# Altium PCB led-cube.PcbDoc
Units mil, origin at the board's own origin, x right, y up, seen from the top; angles counter-clockwise.
Board outline 7100 x 9075 mil, 2 copper layers (Top Layer, Bottom Layer), stack 61.8 mil thick; 90 components, 158 nets, 419 pads, 44 vias.
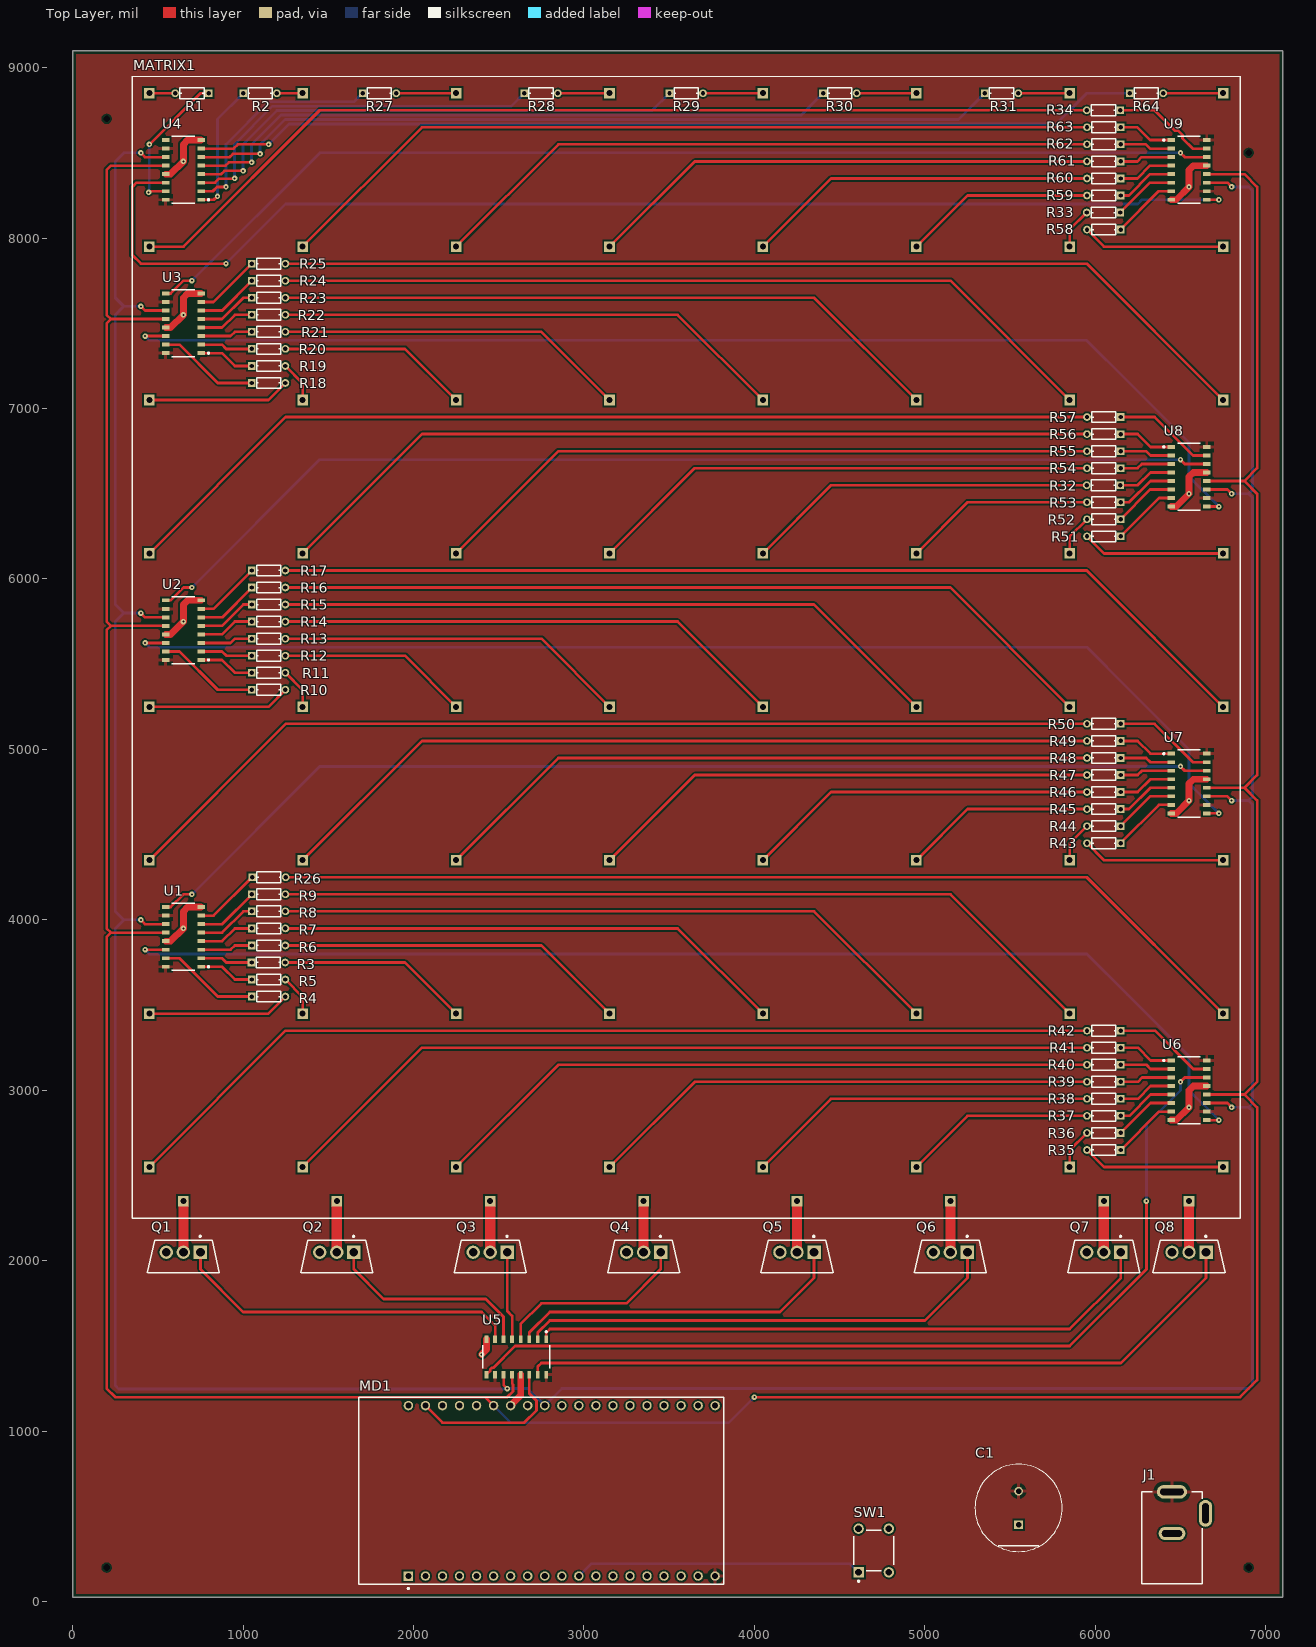
[diagram p0: Top Layer view]
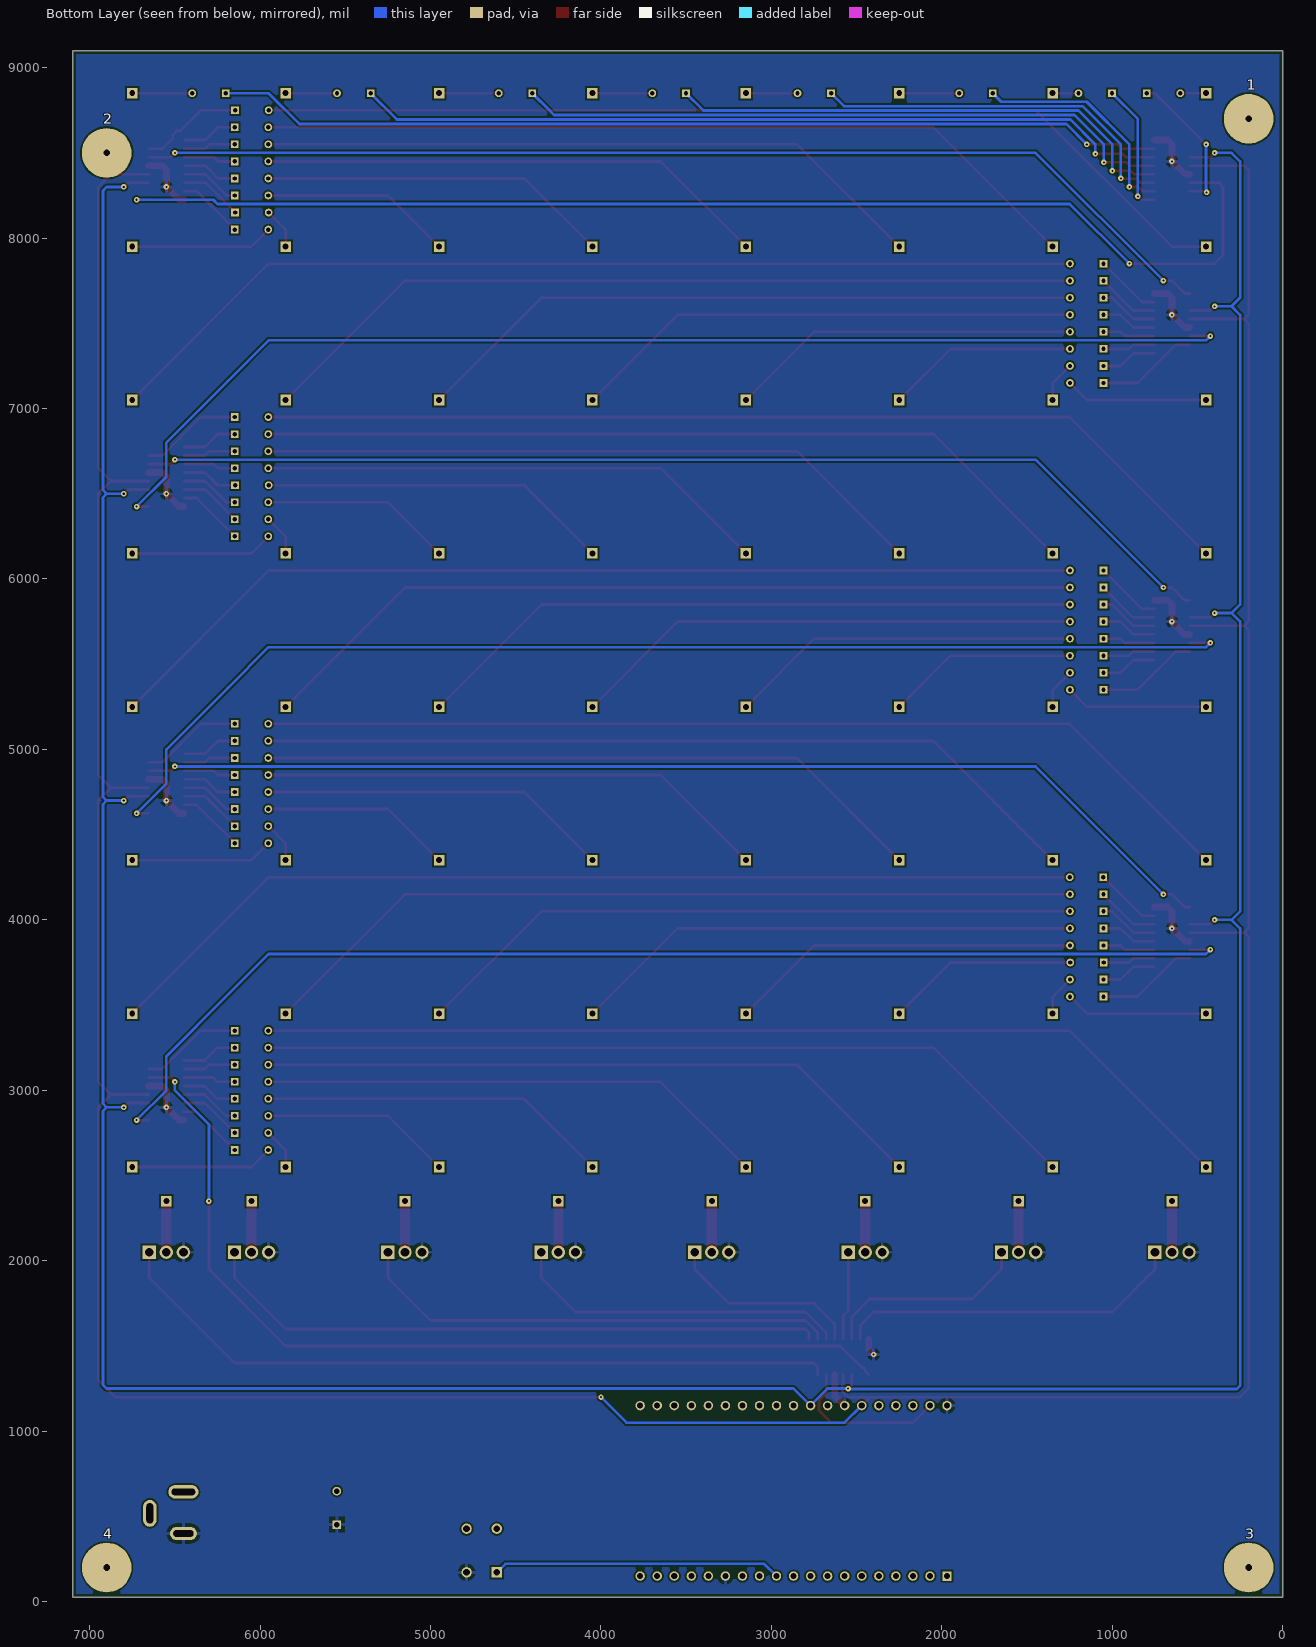
[diagram p1: Bottom Layer view, seen from below]
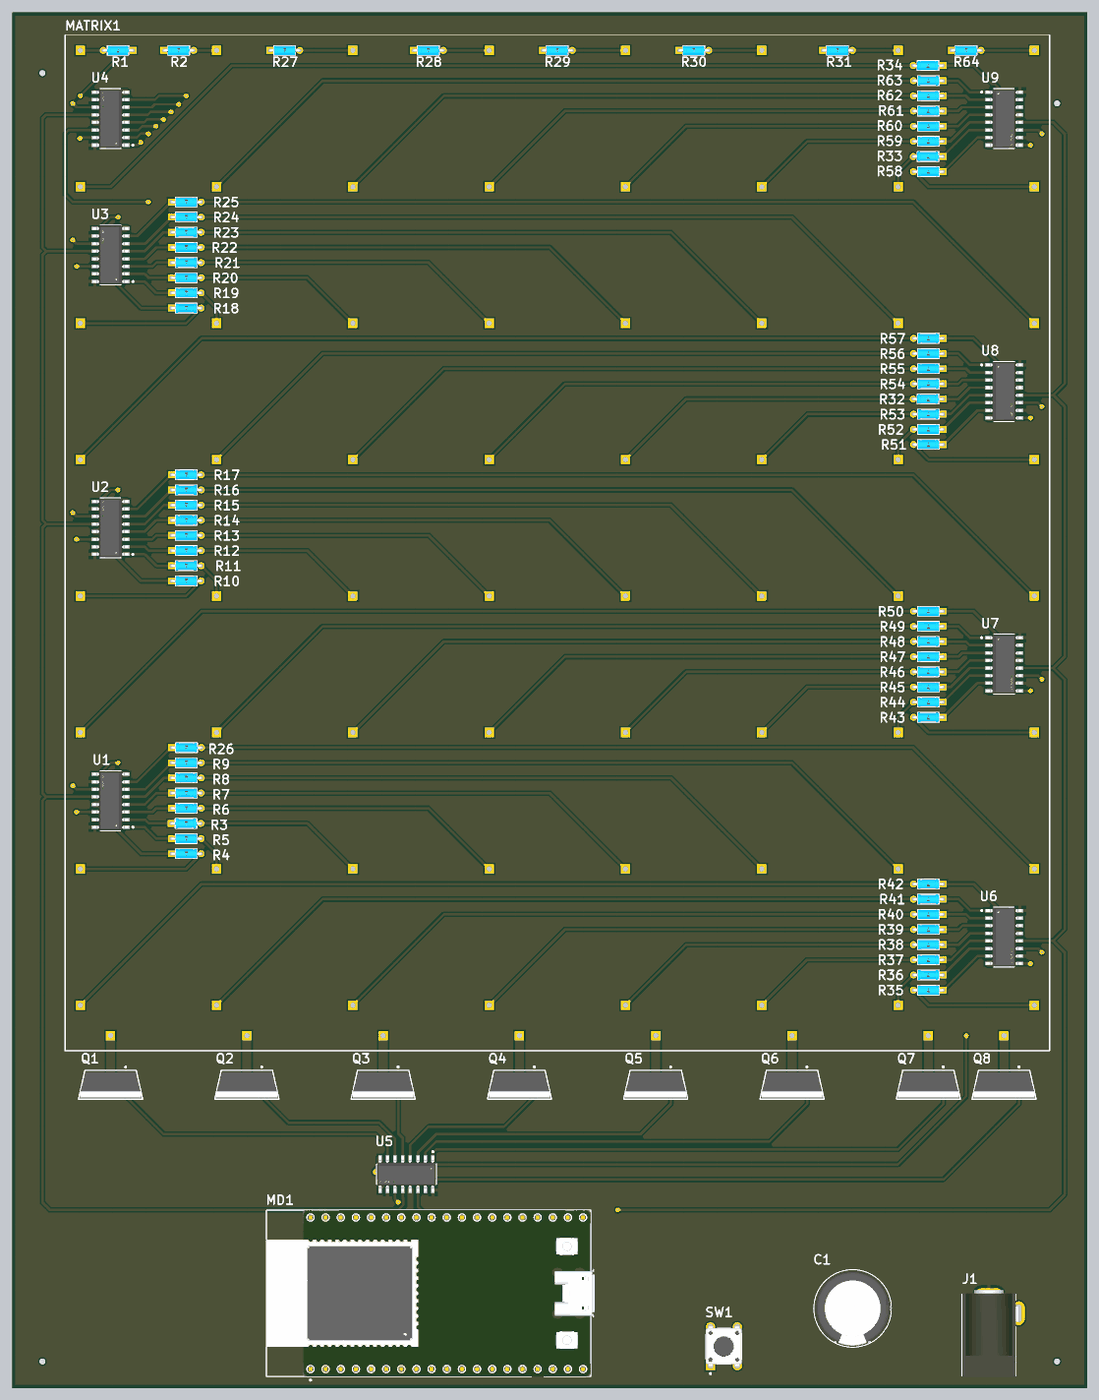
[diagram p2: 3D render of the assembled board from above, using the file's embedded part models]

## Layer stack, top to bottom
Top Solder: solder mask 0.4, Solder Resist, Dk 3.5
Top Layer: signal copper 1.4
Dielectric 1: dielectric 59, FR-4, Dk 4.8
Bottom Layer: signal copper 1.4
Bottom Solder: solder mask 0.4, Solder Resist, Dk 3.5

## Board outline
0,25 7100,25 7100,9100 0,9100

## Design rules (kind name [scope] priority, off if disabled: settings)
BoardOutlineClearance [All] p1: gap=20 ignorepadtopadclearanceinfootprint=FALSE
Clearance [All] p1: gap=10 ignorepadtopadclearanceinfootprint=FALSE
ComponentClearance [All] p1: gap=10 collisioncheckmode=3 verticalgap=10 showdistances=FALSE checkcomponentboundary=TRUE
HoleSize [All] p1: absolutevalues=TRUE maxlimit=140 minlimit=12 maxpercent=80.000 minpercent=20.000
MinimumAnnularRing [All] p1: minimumring=9
PolygonConnect [All] p1: connectstyle=Relief reliefconductorwidth=20 reliefentries=4 polygonreliefangle="90 Angle" airgapwidth=20
RoutingVias [All] p1: holewidth=12 width=32 viastyle="Through Hole" minholewidth=12 minwidth=32 maxholewidth=12 maxwidth=32
SilkToSilkClearance [All] p1: silktosilkclearance=4
SilkToSolderMaskClearance FP-MBA0204-MFG [HasFootprint('FP-MBA0204-MFG')] p1: minsilkscreentomaskgap=0 clearancetoexposedcopper=TRUE
SilkToSolderMaskClearance [IsPad] p2: minsilkscreentomaskgap=6 clearancetoexposedcopper=TRUE
SolderMaskExpansion [All] p1: expansion=2 istentingtop=FALSE
SupplyNets "Schematic Supply Nets_1" [InNet('+5')] p1: voltage=0.000
SupplyNets "Schematic Supply Nets" [InNet('GND')] p2: voltage=0.000
Width LAY [InNet('LAY0') OR InNet('LAY1') OR InNet('LAY2') OR InNet('LAY3') OR InNet('LAY4') OR InNet('LAY5') OR InNet('LAY6') OR InNet('LAY7')] p1: maxlimit=200 minlimit=40 preferedwidth=60
Width "+5, GND" [InNet('+5') OR InNet('GND')] p2: maxlimit=200 minlimit=20 preferedwidth=40
Width [All] p3: maxlimit=200 minlimit=12 preferedwidth=16
26 further rules are at their usual default settings.

## Classes and differential pairs
component class led-cube: C1 J1 MATRIX1 MD1 Q1 Q2 Q3 Q4 Q5 Q6 Q7 Q8 R1 R2 R3 R4 R6 R9 R10 R13 R14 R16 R17 R20 R23 R26 R27 R28 R29 R31 R32 R33 R35 R36 R37 R40 R43 R46 R47 R49 R50 R51 R53 R54 R57 R60 R61 R62 R64 SW1 U3 U4 U5 U6 U8

## Components (designator, comment, footprint, x,y, rotation, side; value= is the part's Value field where it differs from the comment)
1 "Comment" 9771090360#1 6900,200 r0 bottom
2 "Comment" 9771090360#2 6900,8500 r0 bottom
3 "Comment" 9771090360#3 200,200 r0 bottom
4 "Comment" 9771090360#4 200,8700 r0 bottom
C1 "EEUFM1H471" FP-RAD-TH-D_12_5_0_5-L_20-MFG 5550,550 r90 top
J1 "KLDX-0202-B" KYCN-KLDX-0202-B_V 6450,104.72 r90 top
MATRIX1 "LED matrix - 512 × 5 mm" LED-MATRIX-8x8x8 3600,5600 r0 top
MD1 "ESP32-DevKitC V4" FP-ESP32-DevKitC_V4-MFG 2750,650 r90 top
Q1 "IRLB3813PBF" FP-PG-TO220-3-MFG 650,2025.98 r270 top
Q2 "IRLB3813PBF" FP-PG-TO220-3-MFG 1550,2025.98 r270 top
Q3 "IRLB3813PBF" FP-PG-TO220-3-MFG 2450,2025.98 r270 top
Q4 "IRLB3813PBF" FP-PG-TO220-3-MFG 3350,2025.98 r270 top
Q5 "IRLB3813PBF" FP-PG-TO220-3-MFG 4250,2025.98 r270 top
Q6 "IRLB3813PBF" FP-PG-TO220-3-MFG 5150,2025.98 r270 top
Q7 "IRLB3813PBF" FP-PG-TO220-3-MFG 6050,2025.98 r270 top
Q8 "IRLB3813PBF" FP-PG-TO220-3-MFG 6550,2025.98 r270 top
R1 "220 Ω" FP-MBA0204-MFG 700,8850 r180 top value=220Ω
R2 "220 Ω" FP-MBA0204-MFG 1100,8850 r0 top value=220Ω
R3 "220 Ω" FP-MBA0204-MFG 1148.43,3750 r0 top value=220Ω (schematic designator R51)
R4 "220 Ω" FP-MBA0204-MFG 1150,3550 r0 top value=220Ω (schematic designator R49)
R5 "220 Ω" FP-MBA0204-MFG 1150,3650 r0 top value=220Ω (schematic designator R50)
R6 "220 Ω" FP-MBA0204-MFG 1150,3850 r0 top value=220Ω (schematic designator R52)
R7 "220 Ω" FP-MBA0204-MFG 1150,3950 r0 top value=220Ω (schematic designator R53)
R8 "220 Ω" FP-MBA0204-MFG 1150,4050 r0 top value=220Ω (schematic designator R54)
R9 "220 Ω" FP-MBA0204-MFG 1150,4150 r0 top value=220Ω (schematic designator R55)
R10 "220 Ω" FP-MBA0204-MFG 1150,5350 r0 top value=220Ω (schematic designator R33)
R11 "220 Ω" FP-MBA0204-MFG 1150,5450 r0 top value=220Ω (schematic designator R34)
R12 "220 Ω" FP-MBA0204-MFG 1150,5550 r0 top value=220Ω (schematic designator R35)
R13 "220 Ω" FP-MBA0204-MFG 1150,5650 r0 top value=220Ω (schematic designator R36)
R14 "220 Ω" FP-MBA0204-MFG 1150,5750 r0 top value=220Ω (schematic designator R37)
R15 "220 Ω" FP-MBA0204-MFG 1150,5850 r0 top value=220Ω (schematic designator R38)
R16 "220 Ω" FP-MBA0204-MFG 1150,5950 r0 top value=220Ω (schematic designator R39)
R17 "220 Ω" FP-MBA0204-MFG 1150,6050 r0 top value=220Ω (schematic designator R40)
R18 "220 Ω" FP-MBA0204-MFG 1150,7150 r0 top value=220Ω (schematic designator R17)
R19 "220 Ω" FP-MBA0204-MFG 1150,7250 r0 top value=220Ω (schematic designator R18)
R20 "220 Ω" FP-MBA0204-MFG 1150,7350 r0 top value=220Ω (schematic designator R19)
R21 "220 Ω" FP-MBA0204-MFG 1150,7450 r0 top value=220Ω (schematic designator R20)
R22 "220 Ω" FP-MBA0204-MFG 1150,7550 r0 top value=220Ω (schematic designator R21)
R23 "220 Ω" FP-MBA0204-MFG 1150,7650 r0 top value=220Ω (schematic designator R22)
R24 "220 Ω" FP-MBA0204-MFG 1150,7750 r0 top value=220Ω (schematic designator R23)
R25 "220 Ω" FP-MBA0204-MFG 1150,7850 r0 top value=220Ω (schematic designator R24)
R26 "220 Ω" FP-MBA0204-MFG 1151.57,4250 r0 top value=220Ω (schematic designator R56)
R27 "220 Ω" FP-MBA0204-MFG 1800,8850 r0 top value=220Ω (schematic designator R3)
R28 "220 Ω" FP-MBA0204-MFG 2748.43,8850 r0 top value=220Ω (schematic designator R4)
R29 "220 Ω" FP-MBA0204-MFG 3600,8850 r0 top value=220Ω (schematic designator R5)
R30 "220 Ω" FP-MBA0204-MFG 4501.57,8850 r0 top value=220Ω (schematic designator R6)
R31 "220 Ω" FP-MBA0204-MFG 5450,8850 r0 top value=220Ω (schematic designator R7)
R32 "220 Ω" FP-MBA0204-MFG 6048.43,6550 r180 top value=220Ω (schematic designator R29)
R33 "220 Ω" FP-MBA0204-MFG 6048.43,8150 r180 top value=220Ω (schematic designator R15)
R34 "220 Ω" FP-MBA0204-MFG 6048.43,8750 r180 top value=220Ω (schematic designator R9)
R35 "220 Ω" FP-MBA0204-MFG 6050,2650 r180 top value=220Ω (schematic designator R64)
R36 "220 Ω" FP-MBA0204-MFG 6050,2750 r180 top value=220Ω (schematic designator R63)
R37 "220 Ω" FP-MBA0204-MFG 6050,2850 r180 top value=220Ω (schematic designator R62)
R38 "220 Ω" FP-MBA0204-MFG 6050,2950 r180 top value=220Ω (schematic designator R61)
R39 "220 Ω" FP-MBA0204-MFG 6050,3050 r180 top value=220Ω (schematic designator R60)
R40 "220 Ω" FP-MBA0204-MFG 6050,3150 r180 top value=220Ω (schematic designator R59)
R41 "220 Ω" FP-MBA0204-MFG 6050,3250 r180 top value=220Ω (schematic designator R58)
R42 "220 Ω" FP-MBA0204-MFG 6050,3350 r180 top value=220Ω (schematic designator R57)
R43 "220 Ω" FP-MBA0204-MFG 6050,4450 r180 top value=220Ω (schematic designator R48)
R44 "220 Ω" FP-MBA0204-MFG 6050,4550 r180 top value=220Ω (schematic designator R47)
R45 "220 Ω" FP-MBA0204-MFG 6050,4650 r180 top value=220Ω (schematic designator R46)
R46 "220 Ω" FP-MBA0204-MFG 6050,4750 r180 top value=220Ω (schematic designator R45)
R47 "220 Ω" FP-MBA0204-MFG 6050,4850 r180 top value=220Ω (schematic designator R44)
R48 "220 Ω" FP-MBA0204-MFG 6050,4950 r180 top value=220Ω (schematic designator R43)
R49 "220 Ω" FP-MBA0204-MFG 6050,5050 r180 top value=220Ω (schematic designator R42)
R50 "220 Ω" FP-MBA0204-MFG 6050,5150 r180 top value=220Ω (schematic designator R41)
R51 "220 Ω" FP-MBA0204-MFG 6050,6250 r180 top value=220Ω (schematic designator R32)
R52 "220 Ω" FP-MBA0204-MFG 6050,6350 r180 top value=220Ω (schematic designator R31)
R53 "220 Ω" FP-MBA0204-MFG 6050,6450 r180 top value=220Ω (schematic designator R30)
R54 "220 Ω" FP-MBA0204-MFG 6050,6650 r180 top value=220Ω (schematic designator R28)
R55 "220 Ω" FP-MBA0204-MFG 6050,6750 r180 top value=220Ω (schematic designator R27)
R56 "220 Ω" FP-MBA0204-MFG 6050,6850 r180 top value=220Ω (schematic designator R26)
R57 "220 Ω" FP-MBA0204-MFG 6050,6950 r180 top value=220Ω (schematic designator R25)
R58 "220 Ω" FP-MBA0204-MFG 6050,8050 r180 top value=220Ω (schematic designator R16)
R59 "220 Ω" FP-MBA0204-MFG 6050,8250 r180 top value=220Ω (schematic designator R14)
R60 "220 Ω" FP-MBA0204-MFG 6050,8350 r180 top value=220Ω (schematic designator R13)
R61 "220 Ω" FP-MBA0204-MFG 6050,8450 r180 top value=220Ω (schematic designator R12)
R62 "220 Ω" FP-MBA0204-MFG 6050,8550 r180 top value=220Ω (schematic designator R11)
R63 "220 Ω" FP-MBA0204-MFG 6050,8650 r180 top value=220Ω (schematic designator R10)
R64 "220 Ω" FP-MBA0204-MFG 6300,8850 r0 top value=220Ω (schematic designator R8)
SW1 "MJTP1230A" FP-MJTP1230A-MFG 4700,300 r90 top
U1 "MC74HCT595ADR2G" FP-751B-05-MFG 650,3900 r180 top (schematic designator U2)
U2 "MC74HCT595ADR2G" FP-751B-05-MFG 650,5700 r180 top (schematic designator U4)
U3 "MC74HCT595ADR2G" FP-751B-05-MFG 650,7500 r180 top (schematic designator U6)
U4 "MC74HCT595ADR2G" FP-751B-05-MFG 650,8400 r180 top (schematic designator U8)
U5 "MC74HCT595ADR2G" FP-751B-05-MFG 2603.97,1436.18 r270 top (schematic designator U9)
U6 "MC74HCT595ADR2G" FP-751B-05-MFG 6550,3000 r0 top (schematic designator U1)
U7 "MC74HCT595ADR2G" FP-751B-05-MFG 6550,4800 r0 top (schematic designator U3)
U8 "MC74HCT595ADR2G" FP-751B-05-MFG 6550,6600 r0 top (schematic designator U5)
U9 "MC74HCT595ADR2G" FP-751B-05-MFG 6550,8400 r0 top (schematic designator U7)

## Footprints (in the part's own frame and the unit in brackets; to place one, negate y for a bottom-side part, rotate by r counter-clockwise, add the part's x,y. Pads: shape width x height; smd on the part's side, far side on the other; paste and mask are expansions set on the pad)
9771090360#1 [mm] "SMD Steel Spacer, M3 Thread External, Length 9mm"
  round 7.4 / inner round 0 / far side round 0 hole 1 unplated paste-2539.97: 4(0,0)
  body extent -2.99,-3 3,3, height 15
9771090360#2 [mm] "SMD Steel Spacer, M3 Thread External, Length 9mm"
  round 7.4 / inner round 0 / far side round 0 hole 1 unplated paste-2539.97: 2(0,0)
  body extent -2.99,-3 3,3, height 15
9771090360#3 [mm] "SMD Steel Spacer, M3 Thread External, Length 9mm"
  round 7.4 / inner round 0 / far side round 0 hole 1 unplated paste-2539.97: 3(0,0)
  body extent -2.99,-3 3,3, height 15
9771090360#4 [mm] "SMD Steel Spacer, M3 Thread External, Length 9mm"
  round 7.4 / inner round 0 / far side round 0 hole 1 unplated paste-2539.97: 1(0,0)
  body extent -2.99,-3 3,3, height 15
FP-751B-05-MFG [mm]
  rect 1.12x0.58 smd paste+0 mask+0: 1(-2.64,4.445) 2(-2.64,3.175) 3(-2.64,1.905) 4(-2.64,0.635) 5(-2.64,-0.635) 6(-2.64,-1.905) 7(-2.64,-3.175) 8(-2.64,-4.445) 9(2.64,-4.445) 10(2.64,-3.175) 11(2.64,-1.905) 12(2.64,-0.635) 13(2.64,0.635) 14(2.64,1.905) 15(2.64,3.175) 16(2.64,4.445)
  silkscreen extent -3.88,-5 1.7,5, body extent -3.3,-5.25 3.3,5.25, height 0.25
FP-ESP32-DevKitC_V4-MFG [mm]
  rect 1.4x1.4 hole 0.9 paste-2539.97 mask+0: 1(-12.7,19.81)
  round 1.4 hole 0.9 paste-2539.97 mask+0: 2(-12.7,17.27) 3(-12.7,14.73) 4(-12.7,12.19) 5(-12.7,9.65) 6(-12.7,7.11) 7(-12.7,4.57) 8(-12.7,2.03) 9(-12.7,-0.51) 10(-12.7,-3.05) 11(-12.7,-5.59) 12(-12.7,-8.13) 13(-12.7,-10.67) 14(-12.7,-13.21) 15(-12.7,-15.75) 16(-12.7,-18.29) 17(-12.7,-20.83) 18(-12.7,-23.37) 19(-12.7,-25.91) 20(12.7,-25.91) 21(12.7,-23.37) 22(12.7,-20.83) 23(12.7,-18.29) 24(12.7,-15.75) 25(12.7,-13.21) 26(12.7,-10.67) 27(12.7,-8.13) 28(12.7,-5.59) 29(12.7,-3.05) 30(12.7,-0.51) 31(12.7,2.03) 32(12.7,4.57) 33(12.7,7.11) 34(12.7,9.65) 35(12.7,12.19) 36(12.7,14.73) 37(12.7,17.27) 38(12.7,19.81)
  silkscreen extent -14.67,-27.2 13.95,27.2, body extent -14.05,-27.3 14.05,27.3, height 0.25
FP-MBA0204-MFG [mm]
  rect 1.15x1.15 hole 0.65 paste-2539.97 mask+0: 1(-2.5,0)
  round 1.15 hole 0.65 paste-2539.97 mask+0: 2(2.5,0)
  silkscreen extent -1.8,-0.8 1.8,0.8, body extent -3.17,-0.9 3.17,0.9, height 0.25
FP-MJTP1230A-MFG [mm]
  rect 1.55x1.55 hole 1 paste-2539.97 mask+0: 1(-3.25,2.25)
  round 1.55 hole 1 paste-2539.97 mask+0: 2(3.25,2.25) 3(-3.25,-2.25) 4(3.25,-2.25)
  silkscreen extent -4.7,-3 3,3, body extent -4.13,-3.13 4.13,3.13, height 0.25
FP-PG-TO220-3-MFG [mm]
  rect 2x2 hole 1.3 paste-2539.97 mask+0: 1(-0.61,2.54)
  round 2 hole 1.3 paste-2539.97 mask+0: 2(-0.61,0) 3(-0.61,-2.54)
  silkscreen extent -3.1,-5.38 2.41,5.38, body extent -2.51,-5.48 2.51,5.48, height 0.25
FP-RAD-TH-D_12_5_0_5-L_20-MFG [mm]
  rect 1.3x1.3 hole 0.8 paste-2539.97 mask+0: 1(-2.5,0)
  round 1.3 hole 0.8 paste-2539.97 mask+0: 2(2.5,0)
  silkscreen extent -6.5,-6.5 6.5,6.5, body extent -6.6,-6.6 6.6,6.6, height 0.25
KYCN-KLDX-0202-B_V [mm] "3 Conductor Jack, 9 x 14.5 mm Body"
  oval 2x4.5 hole 1 slot 3.5 at 90 deg: 1(13.7,0)
  oval 2x4 hole 1 slot 3 at 90 deg: 2(7.5,0)
  oval 4x2 hole 1 slot 3 at 0 deg: 3(10.5,-5)
  silkscreen extent 0,-4.5 13.7,4.5, body extent -0.15,-5 14.35,4.5, height 11
LED-MATRIX-8x8x8 [mil]
  rect 62x62 hole 35: 1(-3150,3250) 2(-2250,3250) 3(-1350,3250) 4(-450,3250) 5(450,3250) 6(1350,3250) 7(2250,3250) 8(3150,3250) 9(-3150,2350) 10(-2250,2350) 11(-1350,2350) 12(-450,2350) 13(450,2350) 14(1350,2350) 15(2250,2350) 16(3150,2350) 17(-3150,1450) 18(-2250,1450) 19(-1350,1450) 20(-450,1450) 21(450,1450) 22(1350,1450) 23(2250,1450) 24(3150,1450) 25(-3150,550) 26(-2250,550) 27(-1350,550) 28(-450,550) 29(450,550) 30(1350,550) 31(2250,550) 32(3150,550) 33(-3150,-350) 34(-2250,-350) 35(-1350,-350) 36(-450,-350) 37(450,-350) 38(1350,-350) 39(2250,-350) 40(3150,-350) 41(-3150,-1250) 42(-2250,-1250) 43(-1350,-1250) 44(-450,-1250) 45(450,-1250) 46(1350,-1250) 47(2250,-1250) 48(3150,-1250) 49(-3150,-2150) 50(-2250,-2150) 51(-1350,-2150) 52(-450,-2150) 53(450,-2150) 54(1350,-2150) 55(2250,-2150) 56(3150,-2150) 57(-3150,-3050) 58(-2250,-3050) 59(-1350,-3050) 60(-450,-3050) 61(450,-3050) 62(1350,-3050) 63(2250,-3050) 64(3150,-3050) 65(-2950,-3250) 66(-2050,-3250) 67(-1150,-3250) 68(-250,-3250) 69(650,-3250) 70(1550,-3250) 71(2450,-3250) 72(2950,-3250)